# Altium PCB Board_Design.PcbDoc (part 2 of 3)
Units mil, origin at the board's own origin, x right, y up, seen from the top; angles counter-clockwise.
Board outline 5510 x 2520.05 mil, 4 copper layers (Top Layer, Power, Ground, Bottom Layer); 256 components, 212 nets, 1057 pads, 340 vias.
Unrouted connection lines stored in the file: 290.
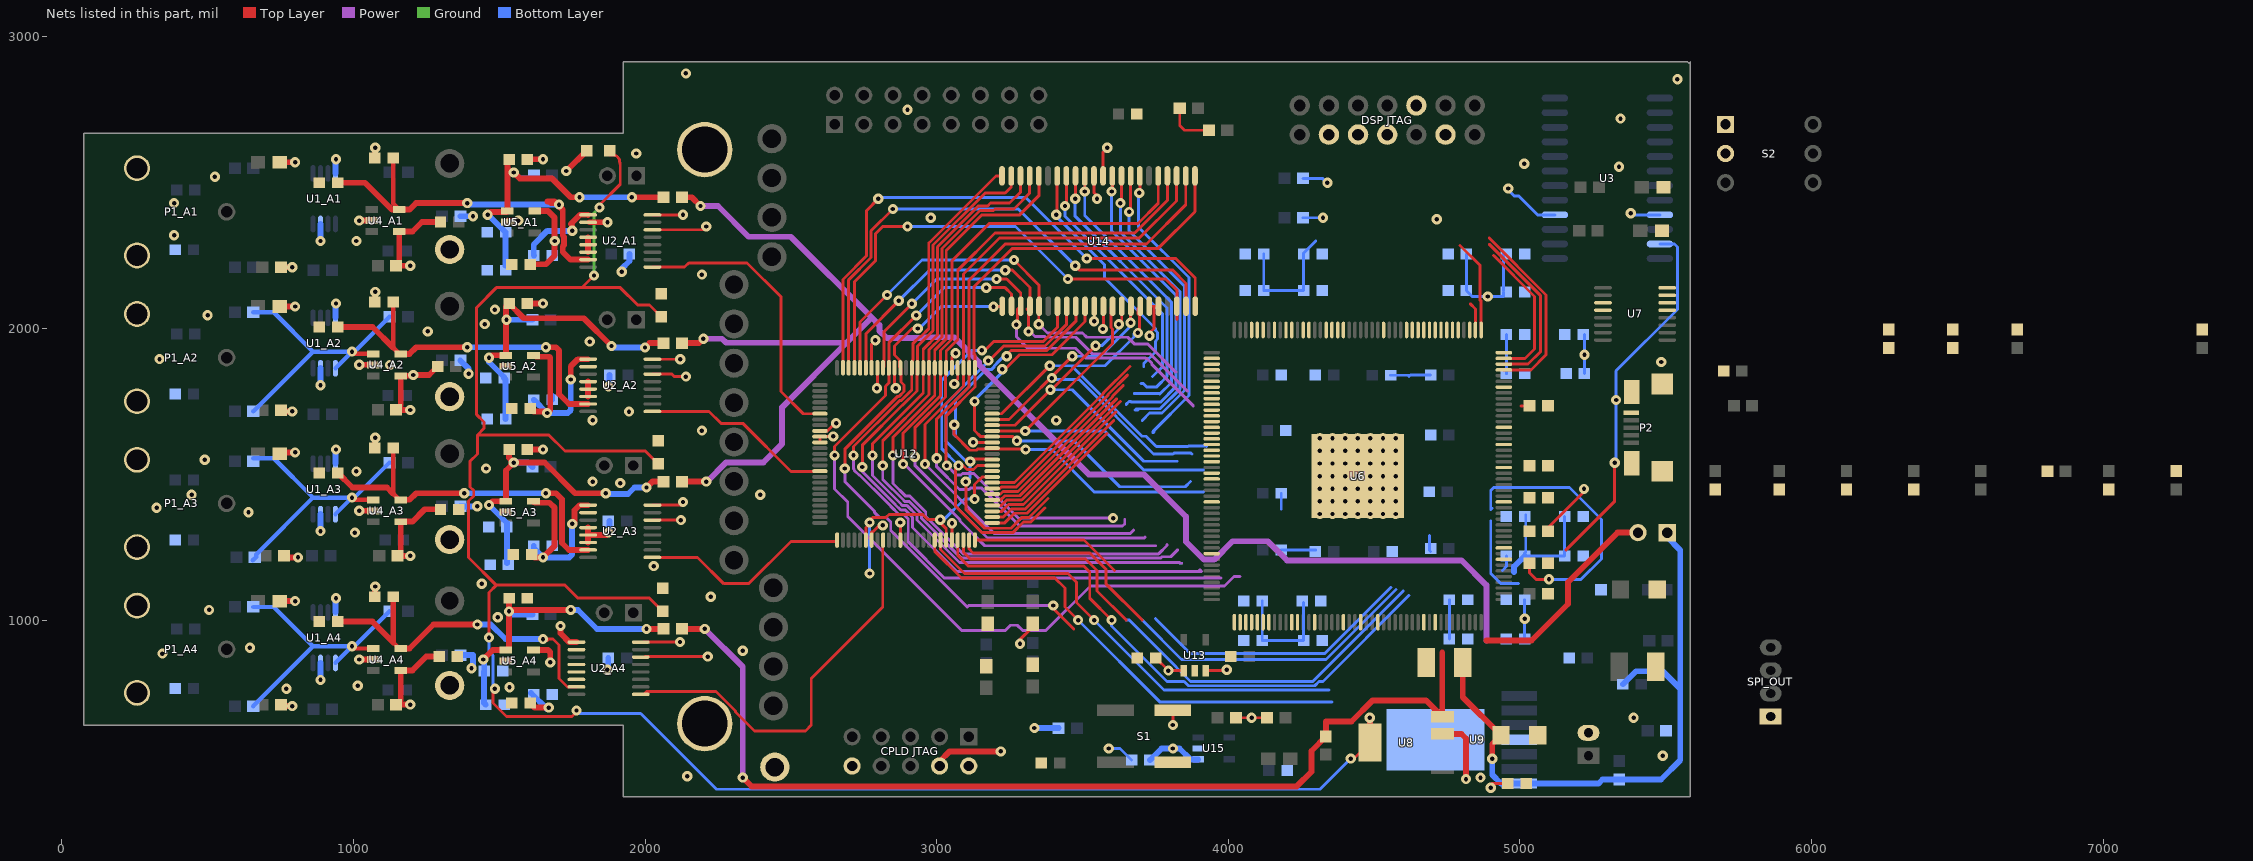
[diagram p4: the nets of this part, all layers, seen from the top]

## Via types
v1: diameter 35, hole 15, Top Layer to Bottom Layer, tented both sides, 339 vias
v2: diameter 35, hole 15, Top Layer to Bottom Layer, tented top, 1 vias

## Nets (pads, with @x,y where several pads share a name; then routed paths per layer and width w, separated by ;. In a path a pad name is that pad's centre, name@x,y a point inside that pad or via, vN(x,y) a via of type N, cw(c..) or ccw(c..) an arc to the next point about the centre after c; other vN are vias at no path point) (continued)
2.048V_A2: R1_A2.1 R2_A2.2 R4_A2.1 U1_A2.5 U4_A2.1 | length 1013.5
  Top Layer w15: v1(995,1920.73) 1002.6,1913.13 U4_A2.1@1062.76,1913.13
  Bottom Layer w15: R2_A2.2@656.5,1715.73 861.5,1920.73 ; R1_A2.1@656.5,2055.73 726.5,2055.73 861.5,1920.73 ; U1_A2.5@938.39,1864.11 v1(995,1920.73) ; R4_A2.1@1123.5,2040.73 1003.5,1920.73 v1(995,1920.73) ; 861.5,1920.73 v1(995,1920.73)
2.048V_A3: R1_A3.1 R2_A3.2 R4_A3.1 U1_A3.5 U4_A3.1 | length 1024.1
  Top Layer w15: v1(995,1420.21) 1002.6,1412.62 U4_A3.1@1062.76,1412.62
  Bottom Layer w15: R2_A3.2@655,1205.21 666.5,1216.71 666.5,1225.21 861.5,1420.21 ; R1_A3.1@656.5,1555.21 726.5,1555.21 861.5,1420.21 ; U1_A3.5@938.39,1363.6 v1(995,1420.21) ; R4_A3.1@1123.5,1540.21 1003.5,1420.21 v1(995,1420.21) ; 861.5,1420.21 v1(995,1420.21)
2.048V_A4: R1_A4.1 R2_A4.2 R4_A4.1 U1_A4.5 U4_A4.1 | length 1013.5
  Top Layer w15: v1(995,910.21) 1002.6,902.62 U4_A4.1@1062.76,902.62
  Bottom Layer w15: R2_A4.2@656.5,705.21 861.5,910.21 ; R1_A4.1@656.5,1045.21 726.5,1045.21 861.5,910.21 ; U1_A4.5@938.39,853.6 v1(995,910.21) ; R4_A4.1@1123.5,1030.21 1003.5,910.21 v1(995,910.21) ; 861.5,910.21 v1(995,910.21)
3: S1.4
3.3VD: "CPLD JTAG.4" "DSP JTAG.5" C23.1 C24.1 C25.1 C26.1 C27.1 C28.1 C29.1 C30.1 C31.1 C32.1 C33.1 C34.1 C35.1 C36.1 C37.1 C38.1 C39.1 C40.1 C41.1 C42.1 C43.1 C44.1 C45.1 C46.1 C53.1 C55.1 C57.1 R6.2 R9.1 R11.1 R12.1 R14.1 R15.2 R16.2 R25.1 R26.1 R39.1 R44.1 R45.1 U2_A1.16 U2_A2.16 U2_A3.16 U2_A4.16 U3.16 U6.3 U6.11 U6.15 U6.20 U6.26 U6.36 U6.54 U6.62 U6.68 U6.72 U6.75 U6.82 U6.88 U6.91 U6.99 U6.106 U6.114 U6.116 U6.119 U6.120 U6.122 U6.125 U6.127 U6.138 U6.147 U6.152 U6.159 U6.168 U8.3 U12.9 U12.31 U12.45 U12.59 U12.80 U12.94 U13.1 U13.3 U14.11 U14.33 U15.1 | length 5587.9
  Top Layer w10: U2_A4.16@1995.47,925 v1(2120,925) ; U2_A3.16@2025.24,1394.27 v1@2124.05,1394.27 ; U2_A2.16@2025.24,1894.78 v1(2120.43,1894.78) ; U2_A1.16@2025.24,2389.78 v1@2129.57,2389.78 ; U12.9@2599.72,1648.74 2624.85,1648.74 2651.11,1675 v1(2655,1675) ; U12.31@2757.2,1274.72 2757.2,1317.8 2770,1330.59 v1(2770,1335) v1@2765,1335 ; v1@2760,1330 v1@2765,1335 ; U12.94@2776.89,1865.28 2776.89,1946.89 v1(2790,1960) ; 3010,500 3010,515 ; U12.45@3032.8,1274.72 3032.8,1313.31 3012.48,1333.63 v1(3012.48,1344.59) 2970.41,1344.59 2952.5,1362.5 2836.39,1362.5 2826.39,1352.5 2782.5,1352.5 v1@2765,1335 ; U12.80@3052.48,1865.28 3052.48,1902.48 v1(3065,1915) ; v1(3130,1415) 3130,1465 3156.26,1491.26 U12.59@3190.28,1491.26 ; v1@3540.25,2020.25 U14.33@3540.25,2076.5 ; U14.11@3570.75,2523.5 3570.75,2605.75 v1(3585,2620) ; C53.1@3751.5,870 v1(3794.65,826.85) U13.1@3847.6,826.85 ; R25.1@3833.5,2755 3833.5,2696.5 3850,2680 R26.1@3933.5,2680 ; U13.3@3922.4,826.85 3991.85,826.85 v1(3995,830) ; R11.1@4026.5,665.21 R12.1@4133.5,665.21 ; v1(4900,425) 4890,425 4905,440 C55.1@4958.5,440
  Top Layer w20: 3010,515 3045,550 v1(3220,550) ; U8.3@4734.02,609.74 4799.53,609.74 4815,594.27 v1(4815,455)
  Bottom Layer w10: v1(2770,1160) v1(2770,1335) ; v1(3012.48,1344.59) 3024.59,1344.59 3095,1415 v1(3130,1415) ; C46.1@4116.5,1065 C43.1@4116.5,930 C44.1@4258.5,930 C45.1@4258.5,1060 ; C36.1@4121.5,2130 C37.1@4121.5,2255 ; C36.1@4121.71,2130.21 C34.1@4258.5,2130.21 C35.1@4258.5,2255.21 4258.5,2258.5 4300,2300 ; R6.2@4256.5,2380 v1(4325,2380) ; R9.1@4256.5,2515 4322.5,2515 4337.5,2500 v1(4340,2500) ; C42.1@4758.5,935 C40.1@4758.5,1070 ; C33.1@4816.5,2255 C31.1@4816.5,2129.79 4836.28,2110 4943.5,2110 C30.1@4943.5,2125 ; C30.1@4943.5,2129.79 C32.1@4943.5,2255 ; C24.1@4953.5,1844.79 C23.1@4953.5,1980 ; v1(4960,2480) 4960,2475 4980,2455 4995,2455 5060,2390 U3.16@5119.88,2390 ; C41.1@5016.5,935 C39.1@5016.5,1070 ; C28.1@5016.5,1220 C29.1@5153.5,1220 C38.1@5153.5,1355 ; C28.1@5016.5,1230.21 5020,1233.72 C27.1@5020,1360 ; C25.1@5221.5,1845.21 C26.1@5221.5,1980
  Bottom Layer w20: v1(3335,630) R39.1@3418.5,630 ; C57.1@3731.5,520 3771.5,560 v1(3810,560) 3832.6,560 3870,522.6 U15.1@3896.85,522.6 ; 4980,1165 4980,1183.5 C28.1@5016.5,1220
  other v1: 4080,665.21 5016.5,1005 2130,1405 5221.5,1910 3540,2025 4890,2110 2130,2390.21
4.2V_A1: C1_A1.2 C7_A1.2 C63_A1.1 R5_A1.2 R7_A1.1 U1_A1.7 U2_A1.1 U4_A1.4 U5_A1.5 | length 1014.3
  Top Layer w20: R7_A1.1@751.5,2210.21 v1(790,2210.21) ; v1(1195,2215.21) R5_A1.2@1146.5,2215.21 1157.24,2225.96 U4_A1.4@1157.24,2332.81 1202.6,2332.81 1234.79,2365 C63_A1.1@1298.5,2365 ; C7_A1.2@1606.5,2220.21 1660,2220.21 1690,2250.21 v1(1690,2300.21) 1690,2380.21 1667.6,2402.62 U5_A1.5@1622.24,2402.62 ; v1(1750,2335) 1750,2353.6 1745,2358.6 1776.62,2390.21 1804.33,2390.21 U2_A1.1@1804.76,2389.78
  Bottom Layer w20: v1(887.2,2300.21) U1_A1.7@887.2,2358.6 ; C1_A1.2@1620,2250.21 C1_A1.2@1618.5,2250.21 1618.5,2288.5 1665,2335 v1(1750,2335)
4.2V_A2: C1_A2.2 C7_A2.2 C63_A2.1 R5_A2.2 R7_A2.1 U1_A2.7 U2_A2.1 U4_A2.4 U5_A2.5 | length 1091
  Top Layer w20: R7_A2.1@751.5,1715.73 v1(790,1715.73) ; U4_A2.4@1157.24,1838.32 v1@1202.6,1838.32 ; U4_A2.4@1162.24,1837.81 1162.24,1736.47 R5_A2.2@1146.5,1720.73 v1(1195,1720.73) ; v1(1205,1840.73) 1259.23,1840.73 C63_A2.1@1288.5,1870 ; C7_A2.2@1606.5,1725.73 1617.22,1715 1670,1715 1675,1720 1675,1900.73 1672.5,1903.23 1627.15,1903.23 U5_A2.5@1622.24,1908.13 ; v1(1745,1825) 1745,1870.21 1769.57,1894.78 U2_A2.1@1804.76,1894.78
  Bottom Layer w20: v1(887.2,1805.73) U1_A2.7@887.2,1864.11 ; C1_A2.2@1618.5,1755.73 v1(1664.02,1710.21) 1735,1710.21 1745,1720.21 v1(1745,1825)
4.2V_A3: C1_A3.2 C7_A3.2 C63_A3.1 R5_A3.2 R7_A3.1 U1_A3.7 U2_A3.1 U4_A3.4 U5_A3.5 | length 1126.4
  Top Layer w20: R7_A3.1@751.5,1215.21 v1(810,1215.21) ; U4_A3.4@1157.24,1337.81 1202.6,1337.81 1244.79,1380 C63_A3.1@1298.5,1380 ; U4_A3.4@1162.24,1337.3 1162.24,1230.96 R5_A3.2@1151.5,1220.21 v1(1195,1220.21) ; C7_A3.2@1606.5,1225.21 C7_A3.2@1611.5,1225.21 1621.5,1215.21 v1(1650,1215.21) 1690,1255.21 1690,1385.21 1672.5,1402.71 1622.15,1402.71 U5_A3.5@1617.24,1407.62 ; v1(1750,1330) 1755.88,1330 1758.05,1332.17 1758.05,1376.84 1775.48,1394.27 U2_A3.1@1804.76,1394.27
  Bottom Layer w20: v1(887.2,1305.21) U1_A3.7@887.2,1363.6 ; C1_A3.2@1618.5,1255.21 1618.5,1246.71 v1(1650,1215.21) 1740,1215.21 1750,1225.21 v1(1750,1330)
4.2V_A4: C1_A4.2 C7_A4.2 C63_A4.1 R5_A4.2 R7_A4.1 U1_A4.7 U2_A4.1 U4_A4.4 U5_A4.5 | length 757.2
  Top Layer w20: R7_A4.1@751.5,705.21 v1(790,705.21) ; U4_A4.4@1157.24,827.81 1202.6,827.81 1249.79,875 C63_A4.1@1293.5,875 ; U4_A4.4@1162.24,827.3 1162.24,725.96 R5_A4.2@1146.5,710.21 v1(1195,710.21) ; C7_A4.2@1606.5,715.21 1621.71,700 v1(1670,700) ; U5_A4.5@1622.24,897.62 1667.6,897.62 1675,890.21 v1(1675,855) ; v1(1710,980) 1710,955 1740.43,924.57 U2_A4.1@1764.76,924.57
  Bottom Layer w20: v1(887.2,795.21) U1_A4.7@887.2,853.6 ; C1_A4.2@1608.5,750.43 v1@1664.47,694.47
4.096V_A1: C5_A1.2 C62_A1.1 U2_A1.7 U4_A1.5 | length 1350
  Top Layer w10: 1665,2435.21 1675.21,2425 v1(1705,2425)
  Top Layer w15: C5_A1.2@1136.5,2585.21 1136.5,2428.36 U4_A1.5@1157.24,2407.62
  Top Layer w20: C62_A1.1@946.5,2500 1040,2500 1132.38,2407.62 U4_A1.5@1157.24,2407.62 1192.4,2407.62 1215,2430.21 v1(1390,2430.21) ; 1665,2435.21 1690,2435.21 1717.5,2407.71 1717.5,2318.68 1722.5,2313.68 1722.5,2286.75 1717.5,2281.75 1717.5,2262.71 1743.98,2236.24 U2_A1.7@1804.76,2236.24
  Bottom Layer w20: v1(1390,2430.21) 1395.21,2425 v1(1705,2425)
4.096V_A2: C5_A2.2 C62_A2.1 U2_A2.7 U4_A2.5 | length 1238
  Top Layer w10: v1(1660,1935.73) v1@1665,1940.73
  Top Layer w15: C5_A2.2@1136.5,2090.73 1136.5,1933.88 U4_A2.5@1157.24,1913.13
  Top Layer w20: C62_A2.1@946.5,2005 1065.37,2005 1136.5,1933.88 ; U4_A2.5@1157.24,1913.13 1192.4,1913.13 1215,1935.73 v1(1390,1935.73) ; v1(1660,1935.73) 1694.49,1935.73 1705,1925.21 1705,1775.21 1738.98,1741.24 U2_A2.7@1804.76,1741.24
  Bottom Layer w20: v1(1390,1935.73) v1(1660,1935.73)
4.096V_A3: C5_A3.2 C62_A3.1 U2_A3.7 U4_A3.5 | length 1238.4
  Top Layer w10: v1(1660,1435.21) v1@1665,1440.21
  Top Layer w15: C5_A3.2@1136.5,1590.21 1136.5,1433.36 U4_A3.5@1157.24,1412.62
  Top Layer w20: C62_A3.1@946.5,1505 996.5,1455 1114.86,1455 1136.5,1433.36 ; U4_A3.5@1157.24,1412.62 1192.4,1412.62 1215,1435.21 1215.21,1435 v1(1380,1435) ; v1(1660,1435.21) 1694.49,1435.21 1715,1414.7 1715,1264.7 1738.98,1240.73 U2_A3.7@1804.76,1240.73
  Bottom Layer w20: v1(1380,1435) 1659.79,1435 v1(1660,1435.21)
4.096V_A4: C5_A4.2 C62_A4.1 U2_A4.7 U4_A4.5 | length 1220.3
  Top Layer w10: v1@1665,930.21 1660.21,935 v1(1650,935) 1684.7,935 1705,914.7 1705,800 1733.98,771.02 U2_A4.7@1764.76,771.02
  Top Layer w15: 1136.5,923.36 U4_A4.5@1157.24,902.62
  Top Layer w20: C62_A4.1@946.5,995 1064.86,995 1136.5,923.36 C5_A4.2@1136.5,1080.21 ; U4_A4.5@1157.24,902.62 1192.4,902.62 1274.79,985 v1(1425,985)
  Bottom Layer w20: v1(1425,985) 1471.11,985 1521.11,935 1540.68,935 v1(1650,935)
5V_A1: C6_A1.2 C50_A1.1 C61_A1.1 FB1_A1.2 R8_A1.2 U5_A1.1 | length 1114.3
  Top Layer w10: C6_A1.2@1533.5,2574.47 1533.5,2551.71 v1(1550,2535.21)
  Top Layer w20: v1(1460,2390) 1470,2400 1525.14,2400 U5_A1.1@1527.76,2402.62 C6_A1.2@1527.76,2574.47 ; v1(1550,2535.21) 1570.21,2515 1680,2515 1745,2450 v1(1775,2450) ; v1(1955,2450) FB1_A1.2@2063.5,2450
  Bottom Layer w10: v1(1550,2535.21) 1565,2520.21 R8_A1.2@1618.5,2520.21
  Bottom Layer w20: v1@1461.5,2390 C61_A1.1@1521.5,2330 C50_A1.1@1521.5,2215 ; v1(1775,2450) v1(1955,2450)
5V_A2: C6_A2.2 C50_A2.1 C61_A2.1 FB1_A2.2 R8_A2.2 U5_A2.1 | length 1156.7
  Top Layer w20: v1(1465,1900) 1473.13,1908.13 U5_A2.1@1522.76,1908.13 1522.76,2074.98 C6_A2.2@1533.5,2085.73 1584.23,2035 1790,2035 v1(1885,1940) ; v1(2000,1935) 2015,1950 FB1_A2.2@2063.5,1950
  Bottom Layer w20: v1(1465,1900) 1465,1885 1516.5,1833.5 C61_A2.1@1516.5,1830 ; C50_A2.1@1521.5,1690 C61_A2.1@1521.5,1825 ; v1(1525,2030) 1525.21,2030.21 R8_A2.2@1613.5,2030.21 ; v1(1885,1940) 1890,1935 v1(2000,1935)
5V_A3: C6_A3.2 C50_A3.1 C61_A3.1 FB1_A3.2 R8_A3.2 U5_A3.1 | length 1125.8
  Top Layer w20: v1(1465,1395) 1477.62,1407.62 U5_A3.1@1522.76,1407.62 1522.76,1512.97 v1(1550,1540.21) ; C6_A3.2@1533.5,1585.21 1533.5,1556.71 v1(1550,1540.21) ; v1(1865,1435) 1760,1435 1654.79,1540.21 v1(1550,1540.21) ; v1(2005,1455) 2025,1475 FB1_A3.2@2063.5,1475
  Bottom Layer w20: v1(1465,1395) 1526.5,1333.5 C61_A3.1@1526.5,1320 C50_A3.1@1526.5,1195 ; v1(1550,1540.21) 1598.5,1540.21 R8_A3.2@1613.5,1525.21 ; v1@1867.71,1432.71 1941.39,1432.71 1963.68,1455 v1(2005,1455)
5V_A4: C6_A4.2 C50_A4.1 C61_A4.1 FB1_A4.2 R8_A4.2 U5_A4.1 | length 1071
  Top Layer w20: v1(1445,865) 1477.62,897.62 U5_A4.1@1522.76,897.62 1533.5,908.36 v1(1533.5,1030) ; C6_A4.2@1533.5,1075.21 v1(1533.5,1030) ; v1(1745,1035) 1538.5,1035 v1(1533.5,1030) ; v1(2005,970) FB1_A4.2@2063.5,970
  Bottom Layer w20: v1@1448.5,861.5 C61_A4.1@1448.5,825 1447.5,824 1447.5,716 C50_A4.1@1453.5,710 ; v1(1533.5,1030) 1543.8,1019.7 R8_A4.2@1613.5,1019.7 ; v1(1745,1035) 1770,1035 1835,970 v1(2005,970)
5VD: 5V.2 FB1_A1.1 FB1_A2.1 FB1_A3.1 FB1_A4.1 R13.1 U7.13 U8.4 | length 9362
  Top Layer w20: FB1_A4.1@2126.5,970 v1(2205,970) ; FB1_A3.1@2126.5,1475 v1(2210,1475) ; FB1_A2.1@2126.5,1950 2185,1950 v1(2200,1965) ; FB1_A1.1@2126.5,2450 2160,2450 v1(2190,2420) ; v1(2335,460) 2365,430 4235,430 4285,480 4285,551.5 R13.1@4335,601.5 4335,652.71 4422.71,652.71 4495,725 4677.81,725 U8.4@4734.02,668.8 4734.02,889.02 ; 4885,930 5040,930 5165,1055 5165,1130 5335,1300 5V.2@5405,1300
  Power w20: v1(2190,2420) 2250,2420 2355,2315 2500,2315 2775,2040 ; v1(2200,1965) 2264.06,1965 2278.08,1950.98 2690.98,1950.98 ; v1(2205,970) 2335,840 v1(2335,460) ; v1@2212.09,1475 2278.08,1540.98 2405.98,1540.98 2470,1605 2470,1730 2690.98,1950.98 ; 4885,930 4885,1120 4800,1205 4201.1,1205 4135.55,1270.55 4014.59,1270.55 3951.54,1207.5 3916.54,1207.5 3855,1269.04 3855,1355 3710,1500 3521.26,1500 3144.72,1876.54 3144.72,1885.28 3060,1970 2950.96,1970 2948.46,1967.5 2828.46,1967.5 2803.46,1992.5 2803.46,2011.54 2775,2040 ; 2690.98,1950.98 2775,2035 2775,2040
5VD_1: 5V.1 C49.2 C51.1 C52.1 R22.1 U9.7 | length 2180.8
  Top Layer w20: C51.1@4804.21,855 4804.21,735.79 C52.1@4935,605 4905,575 v1(4905,525)
  Bottom Layer w20: v1(4905,525) 4905,470 4935,440 U9.7@4997.6,440 5270,440 5283.5,453.5 R22.1@5340,453.5 5483.5,453.5 5550,520 5550,765 ; C49.2@5353.5,780 5398.5,825 5490,825 5550,765 ; 5V.1@5505,1300 5505,1285 5550,1240 5550,765
A0: U6.85 U12.76 U14.1 | length 2944
  Top Layer w10: v1(3035,1530) 3032.5,1532.5 3032.5,1701.18 3131.22,1799.9 U12.76@3131.22,1865.28 3131.22,1909.89 3127.5,1913.61 3127.5,2142.5 3260,2275 3760,2275 3885.71,2400.71 U14.1@3885.71,2523.5 ; 4895,2310 5090,2115 5090,1910 5038.17,1858.17 U6.85@4944.98,1858.17
  Power w10: v1(3035,1530) 3067.5,1497.5 3083.61,1497.5 3088.61,1502.5 3127.5,1502.5 3285,1345 3290,1350 v1(3605,1350)
A1: U6.86 U12.77 U14.2 | length 2970.7
  Top Layer w10: v1(3000,1555) 3000,1689.9 3111.54,1801.43 U12.77@3111.54,1865.28 3111.54,2166.54 3235,2290 3720,2290 3854.21,2424.21 U14.2@3854.21,2523.5 ; 4895,2288.79 5070,2113.79 5070,1920 5027.86,1877.86 U6.86@4944.98,1877.86
  Power w10: v1(3000,1555) 3000,1526.11 3078.61,1447.5 3111.39,1447.5 3116.39,1452.5 3154.67,1452.5 3284.67,1322.5 3637.5,1322.5 3645,1330 3645,1345
A2: U6.87 U12.78 U14.3 | length 2942.9
  Top Layer w10: v1(2960,1535) 2960,1671.11 3091.85,1802.96 U12.78@3091.85,1865.28 3092.5,1865.93 3092.5,1926.39 3091.85,1927.04 3091.85,2186.85 3215,2310 3695,2310 3822.72,2437.72 U14.3@3822.72,2523.5 ; 4910,2250 5050,2110 5050,1930 5017.54,1897.54 U6.87@4944.98,1897.54
  Power w10: v1(2960,1535) 3197.5,1297.5 3663.75,1297.5 3675.62,1309.38
A3: U6.89 U12.81 U14.4 | length 2846.3
  Top Layer w10: v1(2925,1560) 2925,1659.85 3030,1764.85 3030,1862.48 U12.81@3032.8,1865.28 3032.8,1922.8 3072.17,1962.17 3072.17,2200 3200,2327.83 3679.05,2327.83 3791.22,2440.01 U14.4@3791.22,2523.5 ; 4795,2285 4862.5,2217.5 4862.5,2098.61 4867.23,2093.88 U6.89@4867.23,1994.98
  Power w10: v1(2925,1560) 2925,1531.11 3174.23,1281.88 3711.88,1281.88 3715,1285
A4: U6.113 U12.82 U14.5 | length 2632.8
  Top Layer w10: v1(2885,1535) 2885,1641.07 3013.11,1769.18 U12.82@3013.11,1865.28 3013.11,1924.32 3052.48,1963.69 3052.48,2232.48 3180,2360 3690,2360 3759.72,2429.72 U14.5@3759.72,2523.5
  Power w10: v1(2885,1535) 2888.89,1535 3079.98,1343.91 3079.98,1340.02 3165,1255 3750,1255
A5: U6.115 U12.83 U14.18 | length 2402.9
  Top Layer w10: v1(2850,1565) 2850,1627.28 2993.43,1770.7 U12.83@2993.43,1865.28 2993.43,1925.85 3032.8,1965.22 3032.8,2267.8 3155,2390 3285,2390 3350.28,2455.28 U14.18@3350.28,2523.5
  Power w10: v1(2850,1565) 2850,1468.74 2893.74,1425 2908.74,1425 2962.5,1371.24 2962.5,1355.68 3090.68,1227.5 3761.39,1227.5 3790,1256.11 3790,1260
A6: U6.128 U12.84 U14.19 | length 2459
  Top Layer w10: v1(2815,1530) 2815,1615 2973.74,1773.74 U12.84@2973.74,1865.28 2973.74,1927.38 3017.8,1971.43 3017.8,2274.01 3148.79,2405 3195,2405 3200,2410 3265,2410 3318.78,2463.78 U14.19@3318.78,2523.5
  Power w10: v1(2815,1530) 2815,1482.53 2887.5,1410.03 2887.5,1409.47 2889.47,1407.5 2905.03,1407.5 2947.5,1365.03 2947.5,1349.47 3084.47,1212.5 3767.6,1212.5 3772.6,1217.5 3802.5,1217.5 3825,1240 3826.57,1240
A7: U6.129 U12.85 U14.20 | length 2497.2
  Top Layer w10: v1(2780,1565) 2780,1605 2954.06,1779.06 U12.85@2954.06,1865.28 2954.06,1929.06 3002.8,1977.8 3002.8,2280.22 3142.57,2420 3175,2420 3185,2430 3250,2430 3287.28,2467.28 U14.20@3287.28,2523.5
  Power w10: v1(2780,1565) 2780,1496.32 2872.5,1403.82 2872.5,1403.25 2883.25,1392.5 2898.82,1392.5 2932.5,1358.82 2932.5,1343.25 3078.25,1197.5 3832.5,1197.5 3835,1195 3840,1195
  Bottom Layer w10: 3832.5,1197.5 3835,1195 3840,1195
A8: U6.90 U12.86 U14.21 | length 2697.2
  Top Layer w10: v1(2745,1525) 2745,1600 2882.5,1737.5 2883.82,1737.5 2932.5,1786.18 2932.5,1863.41 U12.86@2934.37,1865.28 2934.37,1939.37 2952.5,1957.5 2952.6,1957.5 2987.8,1992.69 2987.8,2286.43 3166.36,2465 3235,2465 3255.79,2485.79 U14.21@3255.79,2523.5 ; 4830,2085 4847.54,2067.46 U6.90@4847.54,1994.98
  Power w10: v1(2745,1525) 2745,1510.1 2857.5,1397.6 2857.5,1397.04 2877.04,1377.5 2892.6,1377.5 2917.5,1352.6 2917.5,1317.5 3067.5,1167.5 3907.5,1167.5 3902.5,1172.5 3900.93,1172.5
A9: U6.93 U12.87 U14.22 | length 2695.4
  Top Layer w10: v1(2715,1565) 2715,1595 2872.5,1752.5 2877.6,1752.5 2914.68,1789.58 U12.87@2914.68,1865.28 2917.48,1868.07 2917.48,1891.96 2919.37,1893.85 2919.37,1949.37 2942.5,1972.5 2946.39,1972.5 2972.8,1998.9 2972.8,2292.65 2975,2294.85 2975,2295 3203.5,2523.5 U14.22@3224.29,2523.5
  Power w10: v1(2715,1565) 2715,1518.89 2717.5,1516.39 2717.5,1513.61 2733.61,1497.5 2735.83,1497.5 2825.83,1407.5 2826.39,1407.5 2842.5,1391.39 2842.5,1390.83 2870.83,1362.5 2886.39,1362.5 2902.5,1346.39 2902.5,1268.61 3026.11,1145 3975,1145
A10: U6.94 U12.89 U14.23 | length 2022
  Top Layer w10: v1(2685,1520) 2685,1586.21 2866.29,1767.5 2871.39,1767.5 2887.5,1783.61 2887.5,1806.39 2877.5,1816.39 2877.5,1863.09 U12.89@2875.32,1865.28 2872.52,1868.07 2872.52,1891.96 2855,1909.48 2855,1940 2915,2000 v1(2935,2000) ; v1(3195,2075) U14.23@3223.8,2075 ; v1@3392.5,1047.5 3395,1050 v1(3400,1050) 3400,1040 3470,970
  Power w10: v1(2685,1520) 2685,1475 2787.5,1372.5 2787.5,1368.61 2803.61,1352.5 2826.39,1352.5 2842.5,1336.39 2842.5,1307.4 3104.9,1045 3109.9,1050 v1(3400,1050)
  Bottom Layer w10: v1(2935,2000) 2940,2000 3015,2075 v1(3195,2075)
A11: U6.95 U12.91 U14.24 | length 2841.7
  Top Layer w10: v1(2650,1565) 2650,1595 2825,1770 2825,1801.82 2835.94,1812.76 U12.91@2835.94,1865.28 2835.94,1950.94 v1(2930,2045) ; v1(3170,2140) 3235,2140 3256.79,2118.21 U14.24@3256.79,2076.5 U14.24@3255,2074.71
  Power w10: v1(2650,1565) 2650,1450 2695,1405 2695,1355 3085,965 3236.11,965 3253.61,982.5 3276.39,982.5 3293.89,965 3375,965 3527.5,1117.5 3987.5,1117.5 4020,1150 4040,1150
  Bottom Layer w10: v1(2930,2045) 3025,2140 v1(3170,2140)
A12: U6.96 U12.92 U14.25 | length 1837.2
  Top Layer w10: U12.92@2816.26,1865.28 2819.06,1868.07 2819.06,1989.06 v1(2915,2085) ; v1(3205,2170) 3240,2170 3288.28,2121.72 U14.25@3288.28,2076.5 ; v1(3273.32,2013.32) 3276.63,2016.63 3276.63,2064.84 U14.25@3285,2073.21
  Power w10: v1(3273.32,2013.32) 3273.32,1971.68 3312.5,1932.5 3476.39,1932.5 3510.28,1898.61 3716.39,1898.61 3717.5,1897.5 3721.39,1897.5 3737.5,1881.39 3737.5,1877.5 3880,1735
  Bottom Layer w10: v1(2915,2085) 3000,2170 v1(3205,2170) ; 4900,1340 4900,1160 4935,1125 4995,1125
A13: R29.2 U6.97 U12.95 U14.26 | length 2533.4
  Top Layer w10: U12.95@2757.2,1865.28 2757.2,1982.2 v1(2870,2095) ; v1(3235,2200) 3260,2200 3319.78,2140.22 U14.26@3319.78,2076.5 ; v1(3315,1990) 3315,2061.28 3310,2066.28 U14.26@3320,2076.28 ; R29.2@5033.5,1195 5033.5,1161.5 5055,1140 v1(5100,1140)
  Power w10: v1(3315,1990) 3320,1990 3337.5,1972.5 3371.29,1972.5 3373.79,1970 3477.22,1970 3533.61,1913.61 3731.39,1913.61 3860,1785
  Bottom Layer w10: v1(2870,2095) 2975,2200 v1(3235,2200) ; 4903.7,1383.7 4900,1380 4900,1445 4910,1455 5170,1455 5280,1345 5280,1210 5210,1140 v1(5100,1140)
A14: R30.2 U6.98 U12.96 U14.27 | length 1565.5
  Top Layer w10: U12.96@2737.52,1865.28 2737.52,2022.52 v1(2830,2115) ; v1(3265,2235) 3351.28,2148.72 U14.27@3351.28,2076.5 ; v1(3350,2015) U14.27@3350,2075.22
  Power w10: v1(3350,2015) 3380,1985 3500,1985 3515,1970 3655,1970 3677.5,1947.5 3722.5,1947.5 3820,1850
  Bottom Layer w10: v1(2830,2115) 2950,2235 v1(3265,2235)
A15: R31.2 U6.100 U12.97 U14.42 | length 1724.3
  Top Layer w10: U12.97@2717.83,1865.28 2717.83,2160.31 2790,2232.48 2790,2325 2815,2350 v1(2900,2350) ; v1(3450,2170) 3785,2170 3823.72,2131.28 U14.42@3823.72,2076.5 3823.72,2031.28
  Bottom Layer w10: v1(2900,2350) 3270,2350 v1(3450,2170)
A16: R32.2 U6.101 U12.98 U14.43 | length 1796.8
  Top Layer w10: U12.98@2698.15,1865.28 2698.15,2166.94 2775,2243.79 2775,2335 v1(2850,2410) ; v1(3475,2215) 3490,2200 3810,2200 3855.21,2154.79 U14.43@3855.21,2076.5
  Bottom Layer w10: v1(2850,2410) 3280,2410 v1(3475,2215)
A17: R33.2 U6.102 U12.99 U14.44 | length 1959.9
  Top Layer w10: U12.99@2678.46,1865.28 2678.46,2168.46 2760,2250 2760,2405 v1(2800,2445) ; v1(3515,2240) 3820,2240 3886.71,2173.29 3886.71,2158.29 U14.44@3886.71,2076.5 ; 5003.89,1735 R33.2@5033.5,1735
  Bottom Layer w10: v1(2800,2445) 2805,2450 3305,2450 v1(3515,2240)
AGND1: C63_A1.2 U3.21 | length 3695.7
  Top Layer w20: v1(2075,2530) 2075,2650 2270,2845 5210,2845 5260,2795 5260,2650 v1(5255,2645)
  Bottom Layer w20: U3.21@5119.88,2640 5250,2640 v1(5255,2645)
AGND1: AGND_A1.1 C1_A1.1 C2_A1.1 C5_A1.1 C6_A1.1 C7_A1.1 C8_A1.1 C50_A1.2 C61_A1.2 C62_A1.2 D1_A1.1 NT1_A1.1 P1_A1.2 P1_A1.3 R3_A1.1 U1_A1.4 U2_A1.2 U2_A1.4 U2_A1.5 U2_A1.6 U4_A1.2 U5_A1.2 | length 600
  Top Layer w20: D1_A1.1@747.4,2570.21 v1(800,2570.21) ; v1(1020,2370.21) U4_A1.2@1062.76,2370.21 ; C5_A1.1@1073.5,2585.21 v1@1073.5,2620.21 ; U5_A1.2@1527.76,2365.21 1532.54,2370 v1(1565,2370) ; C6_A1.1@1596.5,2580.21 v1(1650,2580.21) ; v1(1730,2540) 1800,2610 NT1_A1.1@1800.63,2610 ; U2_A1.5@1802.35,2285 U2_A1.5@1804.76,2287.42 ; U2_A1.6@1804.76,2261.83 U2_A1.5@1804.76,2287.42 ; U2_A1.4@1804.76,2313.01 U2_A1.5@1804.76,2287.42 ; U2_A1.2@1809.76,2364.19 v1(1871.02,2364.19)
  Bottom Layer w20: U1_A1.4@938.39,2531.83 v1@938.39,2578.6 ; R3_A1.1@1366.5,2385.21 v1(1410,2385.21) ; v1(1920,2195) 1920,2205 1946.5,2231.5 C8_A1.1@1946.5,2255.21
  other v1: 1010,2300.21 385,2320.21 385,2430.21 525,2520.21 940,2580.21 1970,2600 1075,2620.21
AGND2: C63_A2.2 U3.1 | length 4177
  Top Layer w20: v1@1984.17,2120 1984.58,2119.58 2055,2119.58 v1(2154.58,2119.58) v1@2155,2120 ; v1(4925,2510) 4934.69,2519.69 5249.69,2519.69 5295,2565 5295,2835 v1(5315,2855)
  Bottom Layer w20: v1(2154.58,2119.58) 2179.58,2119.58 2375,2315 2564.64,2315 2779.64,2530 3253.28,2530 3423.28,2700 3760,2700 3810,2650 4026.11,2650 4061.11,2615 4340,2615 4485,2470 4885,2470 v1(4925,2510) ; v1(5315,2855) 5415.12,2855 U3.1@5480.12,2790
  other v1: 1980,2120.21
AGND2: AGND_A2.1 C1_A2.1 C2_A2.1 C5_A2.1 C6_A2.1 C7_A2.1 C8_A2.1 C50_A2.2 C61_A2.2 C62_A2.2 D1_A2.1 NT1_A2.1 P1_A2.2 P1_A2.3 R3_A2.1 U1_A2.4 U2_A2.2 U2_A2.4 U2_A2.5 U2_A2.6 U4_A2.2 U5_A2.2 | length 398.8
  Top Layer w20: D1_A2.1@747.4,2075.73 v1(800,2075.73) ; v1(1020,1875.73) U4_A2.2@1062.76,1875.73 ; C5_A2.1@1073.5,2090.73 v1@1073.5,2125.73 ; C6_A2.1@1596.5,2085.73 v1(1650,2085.73) ; U2_A2.6@1804.76,1766.83 U2_A2.5@1804.76,1792.42 U2_A2.4@1804.76,1818.01
  Bottom Layer w20: P1_A2.3@257.91,2049.82 P1_A2.3@257.91,2060 ; U1_A2.4@938.39,2037.34 v1@938.39,2084.11 ; R3_A2.1@1366.5,1890.73 1395,1862.22 v1(1395,1845) ; C1_A2.1@1681.5,1755.73 C1_A2.1@1681.5,1768.5 ; v1@1878.5,1804.23 C8_A2.1@1878.5,1840.73
  other v1: 1820,1685.21 1945,1715.21 1875,1800.73 1125,1875.21 335,1895.21 1810,1955.21 1255,1990.21 1450,2015.21 500,2045.21 1485,2065 940,2085.73 1075,2125.73
AGND3: U3.17 | length 3988.8
  Top Layer w20: 2045,1614.58 1975.63,1614.58 2011.05,1650 v1(2130,1650) ; v1(4460,2440) v1(5205,2440)
  Bottom Layer w20: v1(2130,1650) 2235,1755 2235,2037.91 2278.08,2080.98 2365.98,2080.98 2780,2495 3265,2495 3327.5,2557.5 4342.5,2557.5 v1(4460,2440) ; U3.17@5119.88,2440 v1(5205,2440)
  other v1: 1975,1615.21
AGND3: AGND_A3.1 C1_A3.1 C2_A3.1 C5_A3.1 C6_A3.1 C7_A3.1 C8_A3.1 C50_A3.2 C61_A3.2 C62_A3.2 C63_A3.2 D1_A3.1 NT1_A3.1 P1_A3.2 P1_A3.3 R3_A3.1 U1_A3.4 U2_A3.2 U2_A3.4 U2_A3.5 U2_A3.6 U4_A3.2 U5_A3.2 | length 450.3
  Top Layer w20: D1_A3.1@747.4,1575.21 v1(800,1575.21) ; v1(1020,1375.21) U4_A3.2@1062.76,1375.21 ; C5_A3.1@1073.5,1590.21 v1@1073.5,1625.21 ; C6_A3.1@1596.5,1585.21 v1(1650,1585.21) ; U2_A3.6@1804.76,1266.32 U2_A3.5@1804.76,1291.91 ; U2_A3.4@1804.76,1317.5 U2_A3.5@1804.76,1291.91 ; v1(1875,1300.21) 1866.69,1291.91 U2_A3.5@1804.76,1291.91
  Bottom Layer w20: U1_A3.4@938.39,1536.83 v1@938.39,1583.6 ; R3_A3.1@1366.5,1390.21 v1(1424.79,1390.21) ; v1@1878.5,1303.72 C8_A3.1@1878.5,1340.21
  other v1: 2030,1185.21 1005,1300.21 640,1370.21 325,1385.21 445,1430 1915,1470 1820,1475 1010,1510.21 1455,1520 490,1550.21 940,1585.21 1075,1625.21
AGND4: U3.5 | length 5518.5
  Top Layer w20: v1(1985.63,1109.58) 2060,1109.58 2080.42,1109.58 v2(2130,1060)
  Bottom Layer w20: v2(2130,1060) 2160,1030 2160,855 2420,595 2625,595 2664.53,555.47 3145.74,555.47 3290.27,700 4363.28,700 4413.28,750 4900,750 5242.83,1092.83 5242.83,1130.9 5360,1248.06 5360,1695 5565,1900 5565,2305 5550,2320 5550,2590 U3.5@5480.12,2590
AGND4: AGND_A4.1 C1_A4.1 C2_A4.1 C5_A4.1 C6_A4.1 C7_A4.1 C8_A4.1 C50_A4.2 C61_A4.2 C62_A4.2 C63_A4.2 D1_A4.1 NT1_A4.1 P1_A4.2 P1_A4.3 R3_A4.1 U1_A4.4 U2_A4.2 U2_A4.4 U2_A4.5 U2_A4.6 U4_A4.2 U5_A4.2 | length 304.4
  Top Layer w20: D1_A4.1@747.4,1065.21 v1(800,1065.21) ; v1(1020,865.21) U4_A4.2@1062.76,865.21 ; C5_A4.1@1073.5,1080.21 v1@1073.5,1115.21
  Bottom Layer w20: U1_A4.4@938.39,1026.83 v1@938.39,1073.6 ; R3_A4.1@1366.5,880.21 1410,880.21 1410,840 v1(1405,835) ; v1@1873.5,833.72 C8_A4.1@1873.5,870.21
  other v1: 770,765 1535,770 1015,775.21 1870,830.21 345,885.21 645,905.21 1495,1010 505,1035.21 940,1075.21 1075,1115.21 1440,1125
BOOTMODE0: R18.2 S2.1 U6.154
C\O\N\V\S\T\_1: U2_A1.9 U12.6 | length 985
  Top Layer w10: U2_A1.9@2025.24,2210.65 2135.65,2210.65 2150,2225 2350,2225 2465.98,2109.02 2465.98,1784.02 2542.2,1707.8 U12.6@2599.72,1707.8
C\O\N\V\S\T\_2: U2_A2.9 U12.16 | length 664.9
  Top Layer w10: U2_A2.9@2025.24,1715.65 2219.35,1715.65 2260,1675 2335,1675 2500,1510 U12.16@2605,1510
C\O\N\V\S\T\_3: U2_A3.9 U12.26 | length 730.9
  Top Layer w10: U2_A3.9@2025.24,1215.13 2179.87,1215.13 2270,1125 2355,1125 2500,1270 U12.26@2658.78,1270
C\O\N\V\S\T\_4: U2_A4.9 U12.34 | length 1381.4
  Top Layer w10: U2_A4.9@1995,745.13 2004.87,755 2243.22,755 2309.72,688.49 2309.72,685.28 2375,620 2550,620 2570,640 2570,800 2815,1045 U12.34@2815,1274.72
C\S\_\P\O\T\: U3.11 U6.12 | length 1262.5
  Top Layer w10: 5157.43,1240 5325,1407.57 v1(5325,1540)
  Bottom Layer w10: v1(5325,1540) 5330,1545 v1(5330,1755) 5330,1855 5540,2065 5540,2280 5530,2290 U3.11@5480.12,2290
C\S\_\T\B\: SPI_OUT.1 U6.23 U7.3
D0: U6.155 U12.51 U14.7 | length 1526.1
  Top Layer w10: U12.51@3190.28,1333.78 3233.78,1333.78 3266.57,1366.57 3310.07,1366.57 3583.49,1640 ; v1@3696.73,2466.73 U14.7@3696.73,2523.5
  Bottom Layer w10: v1(3695,2465) 3692.5,2462.5 3692.5,2347.5 3865,2175 3865,1770 3742.5,1647.5 3742.5,1642.5 3745,1645
D1: U6.151 U12.52 U14.8 | length 1556.4
  Top Layer w10: U12.52@3190.28,1353.46 3228.46,1353.46 3256.57,1381.57 3303.85,1381.57 3607.28,1685 ; v1@3665.24,2400 U14.8@3665.24,2523.5
  Bottom Layer w10: v1(3660,2400) 3660,2335 3850,2145 3850,1787.57 3772.43,1710 3730,1710 3705,1685
D2: U6.150 U12.53 U14.9 | length 1575.1
  Top Layer w10: U12.53@3190.28,1373.15 3223.15,1373.15 3246.57,1396.57 3297.64,1396.57 3614.33,1713.27 ; v1@3633.74,2430 U14.9@3633.74,2523.5
  Bottom Layer w10: v1(3630,2430) 3630,2330 3835,2125 3835,1793.79 3766.21,1725 3685,1725 3690,1720 3680,1720
D3: U6.149 U12.54 U14.10 | length 1596.8
  Top Layer w10: U12.54@3190.28,1392.83 3221.62,1392.83 3240.36,1411.57 3291.43,1411.57 3629.85,1750 ; v1@3602.24,2472.24 U14.10@3602.24,2523.5
  Bottom Layer w10: v1(3600,2470) 3600,2335 3820,2115 3820,1800 3767.5,1747.5 3668.61,1747.5 3666.11,1750 3660,1750 3650,1740
D4: U6.148 U12.55 U14.13 | length 1547.4
  Top Layer w10: U12.55@3190.28,1412.52 3220.09,1412.52 3234.15,1426.57 3285.21,1426.57 3617.5,1758.86 ; v1(3507.76,2470) U14.13@3507.76,2523.5
  Bottom Layer w10: v1(3507.76,2470) 3507.76,2387.24 3805,2090 3805,1815 3765,1775 3762.5,1777.5 3677.5,1777.5
D5: U6.146 U12.56 U14.14 | length 1526.4
  Top Layer w10: U12.56@3190.28,1432.2 3218.57,1432.2 3227.94,1441.57 3279,1441.57 3602.5,1765.07 3602.5,1767.6 3639.9,1805 ; v1@3476.26,2451.26 U14.14@3476.26,2523.5
  Bottom Layer w10: v1(3475,2445) 3475,2385 3790,2070 3790,1835 3755,1800 3720,1800 3709.22,1810.78 3700.78,1810.78
D6: U6.145 U12.57 U14.15 | length 1452.4
  Top Layer w10: U12.57@3190.28,1451.89 3217.04,1451.89 3221.72,1456.57 3272.79,1456.57 3587.5,1771.29 3587.5,1773.82 3653.68,1840 ; v1@3444.76,2435 U14.15@3444.76,2523.5
  Bottom Layer w10: v1(3440,2420) 3440,2385 3775,2050 3775,1870 3740,1835
D7: U6.144 U12.58 U14.16 | length 1451.5
  Top Layer w10: U12.58@3190.28,1471.57 3266.57,1471.57 3572.5,1777.5 3572.5,1780.03 3662.47,1870 ; v1@3413.27,2395 3412.5,2395.77 3412.5,2522.74 U14.16@3413.27,2523.5
  Bottom Layer w10: v1(3410,2390) 3410,2385 3575,2220 3575,2175 3750,2000 3750,1993.89 3757.5,1986.39 3757.5,1963.61 3750,1956.11 3750,1920 3710,1880 3710,1870
D8: U6.143 U12.61 U14.29 | length 1517.8
  Top Layer w10: v1(3155,1925) 3165,1925 3195,1955 3365,1955 3414.27,2004.27 U14.29@3414.27,2076.5 ; U12.61@3190.28,1530.63 3140.48,1530.63 3126.39,1516.54 3103.61,1516.54 3089.52,1530.63 3064.17,1530.63 3064.17,1390.83 3155,1300 3261.21,1300 3297.79,1336.57 3322.49,1336.57 3370.92,1385
  Bottom Layer w10: v1(3075,1530) 3017.5,1587.5 3017.5,1822.5 3120,1925 v1(3155,1925)
D9: U6.142 U12.62 U14.30 | length 1441.8
  Top Layer w10: v1(3100,1475) 3100,1380 3165,1315 3255,1315 3291.57,1351.57 3316.28,1351.57 3382.21,1417.5 ; v1@3101.89,1553.11 3187.48,1553.11 U12.62@3190.28,1550.32 ; v1(3177.22,1890) 3180,1890 3230,1940 3371.21,1940 3445.76,2014.55 U14.30@3445.76,2076.5
  Bottom Layer w10: v1(3100,1475) 3115,1490 v1(3115,1544.04) 3100.96,1544.04 3090,1555 3032.5,1612.5 3032.5,1742.5 3177.22,1887.22 v1(3177.22,1890)
D10: U6.141 U12.64 U14.31 | length 1726.7
  Top Layer w10: v1(3060,1670) 3060,1636.11 3113.61,1582.5 3136.39,1582.5 3141.39,1587.5 3304.52,1587.5 v1@3312.85,1579.17 ; v1@3240,1910 3255,1925 3377.43,1925 3477.26,2024.83 U14.31@3477.26,2076.5
  Bottom Layer w10: v1(3060,1670) 3060,1635 3065,1630 3065,1753.79 3171.21,1860 3188.79,1860 3197.5,1868.71 3197.5,1871.39 3207.5,1881.39 3207.5,1882.5 3230,1905 v1(3240,1905) ; v1(3305,1585) 3395,1585 3540,1440 3915,1440
D11: U6.140 U12.66 U14.32 | length 1479.2
  Top Layer w10: v1(3130,1750) 3130,1650 3150.94,1629.06 U12.66@3190.28,1629.06 3260.94,1629.06 v1(3275,1615) ; v1(3225,1860) 3233.89,1860 3283.89,1910 3395,1910 3508.76,2023.76 U14.32@3508.76,2076.5
  Bottom Layer w10: v1@3127.5,1752.5 3225,1850 v1(3225,1860) ; v1(3275,1615) 3470,1615 3627.5,1457.5 3852.5,1457.5 3870,1475
D12: U12.67 U14.35 | length 1336.7
  Top Layer w10: U12.67@3190.28,1648.74 v1(3303.74,1648.74) 3603.24,1948.24 3603.24,1997.87 3597.5,2003.61 3597.5,2070.75 U14.35@3603.24,2076.5
  Bottom Layer w10: v1(3303.74,1648.74) 3576.26,1648.74 3710,1515 3915,1515
D12/BOOTMODE1: R19.2 S2.2 U6.139
D13: U6.136 U12.68 U14.36 | length 1184.3
  Top Layer w10: U12.68@3190.28,1668.43 3268.43,1668.43 v1(3390,1790) 3393.89,1790 v1(3545,1941.11) ; U14.36@3634.74,2076.5 3634.74,2020.26 v1@3635,2020
  Bottom Layer w10: v1(3390,1790) 3465,1790 3710,1545 3825,1545 ; v1(3545,1941.11) 3566.11,1941.11 3630,2005 3625,2010 v1(3625,2015)
D14: U6.135 U12.69 U14.37 | length 1262.8
  Top Layer w10: U12.69@3190.28,1688.11 3248.11,1688.11 v1(3465,1905) ; v1(3665,2020) U14.37@3665,2057.73
  Bottom Layer w10: v1(3395,1830) 3395,1840 3410,1825 3488.79,1825 3743.79,1570 3811.11,1570 3813.61,1572.5 3872.5,1572.5 3875,1570 ; v1(3465,1905) 3561.82,1905 3667.5,2010.68 3665,2013.18 v1(3665,2020)
D15: U6.134 U12.70 U14.38 | length 1359.8
  Top Layer w10: U12.70@3190.28,1707.8 3222.8,1707.8 v1(3387.45,1872.45) ; v1(3690,1985) 3695,1990 3695,2045.46 3690,2050.46 3690,2068.76 U14.38@3697.73,2076.5
  Bottom Layer w10: v1@3676.39,1982.5 3676.39,1971.39 3577.45,1872.45 v1(3387.45,1872.45) 3462.55,1872.45 3704.32,1630.68 3717.5,1630.68 3753.18,1595 3861.11,1595 3863.61,1597.5 3922.5,1597.5 3925,1595
DGND: "CPLD JTAG.2" "CPLD JTAG.10" "DSP JTAG.4" "DSP JTAG.8" "DSP JTAG.10" "DSP JTAG.12" C9.2 C10.2 C11.2 C12.2 C13.2 C14.2 C15.2 C16.2 C17.2 C18.2 C19.2 C20.2 C21.2 C22.2 C23.2 C24.2 C25.2 C26.2 C27.2 C28.2 C29.2 C30.2 C31.2 C32.2 C33.2 C34.2 C35.2 C36.2 C37.2 C38.2 C39.2 C40.2 C41.2 C42.2 C43.2 C44.2 C45.2 C46.2 C47.2 C48.1 C51.2 C52.2 C53.2 C54.2 C55.2 C56.1 C57.2 C58.2 C59.2 D2.1 D3.1 D5.1 D6.1 D7.1 D8.1 DGND.1 NT1_A1.2 NT1_A2.2 NT1_A3.2 NT1_A4.2 P2.5 P2.SHD P3.2 pad.0 R18.1 R19.1 R20.2 R21.2 R23.2 R28.1 R29.1 R30.1 R31.1 R32.1 R33.1 R43.1 S1.1 U2_A1.14 U2_A2.14 U2_A3.14 U2_A4.14 U3.9 U6.34 U6.52 U6.123 U6.177 U6.V U7.4 U7.14 U8.5 U9.4 U9.8 U12.10 U12.11 U12.32 U12.37 U12.46 U12.60 U12.65 U12.79 U12.90 U12.93 U13.2 U14.12 U14.34 U14.39 U14.40 U15.2 | length 9656.1
  Top Layer w10: v1(1465,940) 1465,1095 1490,1120 ; v1@1478.7,760 1478.7,716.3 1525,670 1749.79,670 v1@1766.3,686.51 ; 1784.12,2140.88 v1(1825,2181.76) ; v1(1843.57,2415) 1843.57,2423.57 1915,2495 1915,2559.37 ccw(c1879.37,2559.37) 1912.81,2571.68 ccw(c1889.49,2571.68) 1889.49,2595 NT1_A1.2@1879.37,2595 ; U2_A4.14@2000,875 v1(2215,875) ; U2_A3.14@2025.24,1343.09 v1(2122.87,1343.09) ; U2_A2.14@2025.24,1843.6 2091.61,1843.6 2100.21,1835 v1(2140,1835) ; U2_A1.14@2025.24,2338.6 v1@2210,2338.6 ; NT1_A3.2@2045,1535.84 2000.63,1580.21 1725,1580.21 1670,1635.21 1425,1635.21 ; NT1_A2.2@2055,2040.84 2015.63,2080.21 1974.79,2080.21 1915,2140 1490,2140 1422.5,2072.5 1422.5,1704.53 1447.5,1679.53 1447.5,1657.71 1425,1635.21 ; NT1_A4.2@2060,1030.84 2015.63,1075.21 1770,1075.21 1725.21,1120 1490,1120 ; U12.11@2599.72,1609.37 U12.10@2599.72,1629.06 v1@2644.06,1629.06 ; U12.32@2776.89,1274.72 2776.89,1302.5 2780.78,1302.5 2803.28,1325 v1(2815,1325) ; v1@2796.57,1796.57 U12.93@2796.57,1865.28 ; v1@2855.63,1800.63 U12.90@2855.63,1865.28 ; U12.37@2875.32,1274.72 v1@2875.32,1339.68 ; U12.46@3052.48,1274.72 v1(3052.48,1332.52) ; v1(3060,1810) 3060,1815 3072.17,1827.17 U12.79@3072.17,1865.28 ; v1@3125.63,1609.37 U12.65@3190.28,1609.37 ; v1(3285.78,919.22) 3285.78,921.79 3280,927.57 3330,977.57 D7.1@3330,987.6 ; U14.12@3539.25,2523.5 3539.25,2465.75 3550,2455 v1(3550,2445) ; v1(3570,1998.43) 3571.75,2000.18 U14.34@3571.75,2076.5 ; U14.39@3729.23,2076.5 3745,2076.5 ; v1(3730,1975) 3730,1985 3745,2000 3745,2076.5 ; U14.40@3760.72,2076.5 3745,2076.5 ; v1(3810,640.21) S1.1@3810,690.21 ; v1(4420,525.21) 4430.98,525.21 U8.5@4485.98,580.21 ; R30.1@5096.5,1305 5096.5,1316.5 5220,1440 v1(5220,1450) ; 1425,1635.21 1425,1570.21 1400,1545.21 1400,1457.03 1412.5,1444.53 1412.5,1425.89 1395,1408.39 1395,1215 1490,1120
  Top Layer w20: U8.5@4485.98,580.21 v1@4485.98,665.21
  Ground w10: v1(1825,2181.76) 1825,2396.43 v1(1843.57,2415)
  Bottom Layer w10: v1(1465,940) 1465,892.5 1478.19,879.31 1478.19,763.19 1480,765 v1(1485,765) ; v1@1766.3,686.51 1772.81,680 1985,680 2244.79,420.21 4315,420.21 v1(4420,525.21) ; v1@1843.57,2413.57 v1(1843.57,2415) ; v1(3590,560) 3628.5,560 C57.2@3668.5,520 ; C20.2@4181.5,1240.21 C21.2@4300,1240.21 ; 4181.5,1381.5 C19.2@4181.5,1435.21 ; C12.2@4556.5,1839.79 4625,1839.79 ; 4615.21,1839.79 4620,1835 4620,1835.21 4625,1840.21 C11.2@4693.5,1840.21 ; 4690,1290 4690,1238.72 C15.2@4693.5,1235.21 ; 4940,1170 4953.5,1183.5 C28.2@4953.5,1220 ; v1@5385,2390 U3.9@5480.12,2390
  other v1: 4865,460 2145,465 5490,535 4485,665.21 5390,665 1765,690 2335,895 2225,1080 2875,1335 2395,1430 3125,1610 2645,1630 2195,1650 3410,1685 2795,1795 2860,1795 5485,1885 2195,2185 2210,2350 4715,2375 2980,2380 5380,2395 5340,2555 5015,2565 5345,2720 2900,2750 5540,2855 2140,2875
DM: R40.1 U7.15
DP: R41.1 U7.16
DSP_CTRL1: U6.1 U12.50 | length 1473.6
  Top Layer w10: U12.50@3131.22,1274.72 3505.28,1274.72 3610,1170
  Bottom Layer w10: 3750,1005 3870,885 4330,885 4557.5,1112.5
DSP_CTRL2: U6.2 U12.49 | length 1780.2
  Top Layer w10: U12.49@3111.54,1274.72 3111.54,1243.46 3125,1230 3525,1230 3580,1175 3580,1125 3705,1000
  Bottom Layer w10: 3705,1000 3840,865 4335,865 4575,1105
DSP_CTRL3: U6.4 U12.48 | length 1902.9
  Top Layer w10: U12.48@3091.85,1274.72 3091.85,1233.15 3115,1210 3510,1210 3550,1170 3550,1100 3650,1000
  Bottom Layer w10: 3650,1000 3660.39,1000 3822.15,838.24 3822.15,837.85 3870,790 4290,790 4600,1100
DSP_CTRL4: U6.5 U12.47 | length 1985.5
  Top Layer w10: U12.47@3072.17,1274.72 3072.17,1222.17 3109.33,1185 3505,1185 3525,1165 3525,1075 v1(3600,1000) v1@3605,995
  Bottom Layer w10: v1(3600,1000) 3600,980 3790,790 3848.79,790 3863.79,775 4296.21,775 4311.21,790 4325,790 4620,1085
DSP_CTRL5: U6.6 U12.44 | length 1612.4
  Top Layer w10: U12.44@3013.11,1274.72 3013.11,1241.89 3095,1160 3450,1160 3480,1130 3480,1060 v1(3540,1000) v1@3545,995
  Bottom Layer w10: v1(3540,1000) 3780,760 4345,760
DSP_CTRL6: U6.7 U12.43 | length 1651.8
  Top Layer w10: U12.43@2993.43,1274.72 2993.43,1236.57 3085,1145 3405,1145 3440,1110 3440,1045 v1(3485,1000)
  Bottom Layer w10: v1(3485,1000) 3765,720 4355,720